# KiCad board hw-openmower-yardforce.kicad_pcb (continued)
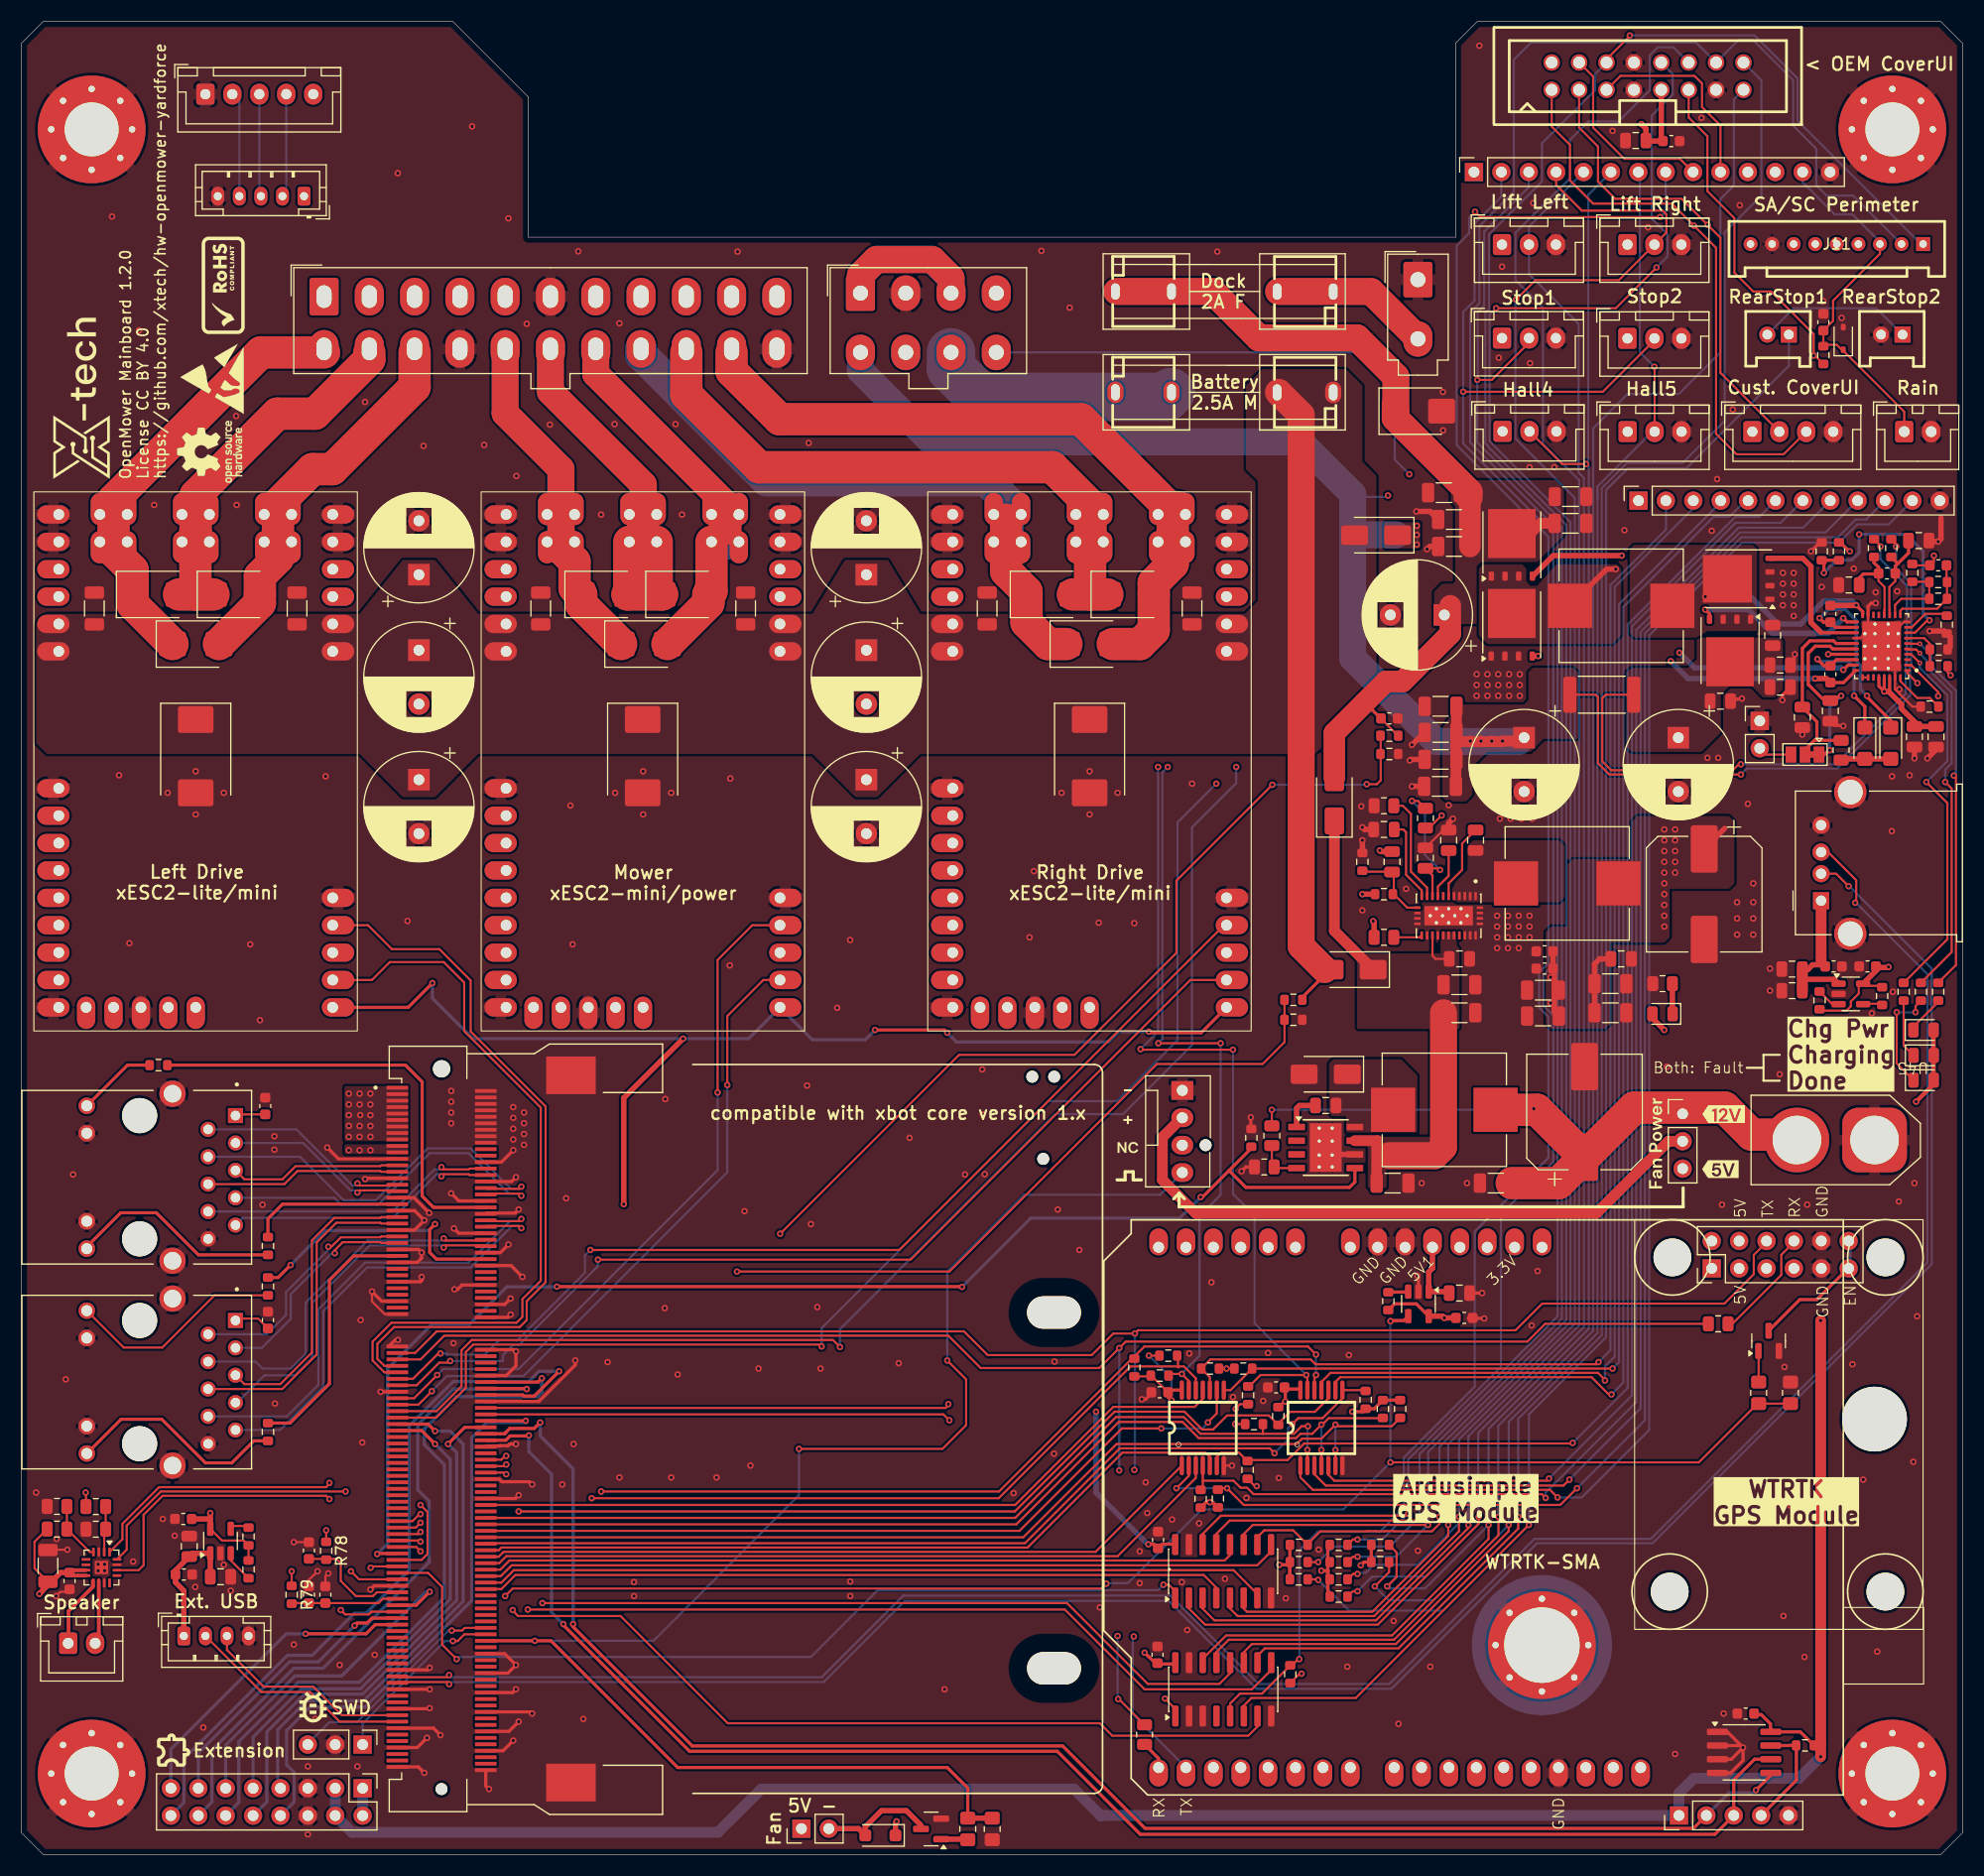
[diagram p0: board, top side]
## Nets (continued)
/GPIO4: J26.137 R46.1 U4.5
/GPIO5: J26.133 U48.9
/GPIO6: J26.135 U48.7
/GPIO7: J26.143 U47.1 U48.1
/GPIO8: J26.129 R77.2 U12.12
/GPIO9: J26.127 R70.2 U11.12
/GPIO10: J26.148 U47.4
/GPIO11: J26.146 U47.7
/GPIO12: J26.144 U47.9
/GPIO13: J26.142 U47.12
/GPIO14: J26.140 U11.3
/GPIO15: J26.138 U11.1
/GPIO16: J26.136 U11.5
/GPIO17: J26.134 R50.2 U12.8
/GPIO18: J26.132 R48.2 U12.6
/GPIO19: J26.130 U11.9
/GPIO20: J26.128 R29.2 U12.4
/GPIO21: J26.122 U11.11
/GPIO22: J26.124
/GPIO23: J26.126 R28.2 U12.2
/I2C1.SCL: J26.94 U27.1
/I2C1.SDA: J26.92 U27.2
/I2C2.SCL: J26.98 J32.10
/I2C2.SDA: J26.96 J32.8
/I2S.CK: J26.112 U3.16
/I2S.SDI: J26.106
/I2S.SDO: J26.108 U3.1
/I2S.WS: J26.110 U3.14
/RASPI_FAN_ON: J26.164 J33.4 R52.2 R53.1
/RobotConnectors/BTN_ANY: J5.2
/RobotConnectors/BTN_HOME_OEM: J5.5 J6.10 R64.2 U11.13
/RobotConnectors/BTN_PLAY_OEM: J5.4 J6.9 R65.2 U12.13
/RobotConnectors/HALL0_5V: J6.2 J15.2 R40.2 U47.14
/RobotConnectors/HALL1_5V: J6.3 J14.2 R39.2 U47.11
/RobotConnectors/HALL2_5V: J6.4 J13.2 R38.2 U47.5
/RobotConnectors/HALL3_5V: J6.5 J12.2 R51.2 U47.2
/RobotConnectors/HALL4_5V: J6.6 J9.2 R43.2 U48.14
/RobotConnectors/HALL5_5V: J6.7 J8.2 R42.2 U48.11
/RobotConnectors/HALL6_5V: J6.8 R62.2 U48.5
/RobotConnectors/LLIFT2_LIFT_OEM: J5.16 U48.10
/RobotConnectors/LLIFT_LBUMP_OEM: J5.12 U47.3
/RobotConnectors/MC_HALL_SENSOR.U: J10.4 J21.2 U9.4
/RobotConnectors/MC_HALL_SENSOR.V: J10.3 J21.3 U9.5
/RobotConnectors/MC_HALL_SENSOR.W: J10.2 J21.4 U9.6
/RobotConnectors/MC_PHASE.U: D12.2 D14.2 J1.18 U9.U
/RobotConnectors/MC_PHASE.V: D12.1 D13.2 J1.17 U9.V
/RobotConnectors/MC_PHASE.W: D13.1 D14.1 J1.16 U9.W
/RobotConnectors/MC_T2: J1.7 U9.3
/RobotConnectors/ML_HALL_SENSOR.U: J1.1 U8.4
/RobotConnectors/ML_HALL_SENSOR.V: J1.2 U8.5
/RobotConnectors/ML_HALL_SENSOR.W: J1.3 U8.6
/RobotConnectors/ML_PHASE.U: D8.2 D10.2 J1.14 U8.U
/RobotConnectors/ML_PHASE.V: D8.1 D9.2 J1.13 U8.V
/RobotConnectors/ML_PHASE.W: D9.1 D10.1 J1.12 U8.W
/RobotConnectors/MR_HALL_SENSOR.U: J1.8 U10.4
/RobotConnectors/MR_HALL_SENSOR.V: J1.9 U10.5
/RobotConnectors/MR_HALL_SENSOR.W: J1.10 U10.6
/RobotConnectors/MR_PHASE.U: D18.2 D20.2 J1.21 U10.U
/RobotConnectors/MR_PHASE.V: D18.1 D19.2 J1.20 U10.V
/RobotConnectors/MR_PHASE.W: D19.1 D20.1 J1.19 U10.W
/RobotConnectors/RAIN: C15.1 D21.1 J6.13 J11.3 J17.1 R47.2
/RobotConnectors/REAR_STOP_OEM: J40.1 R63.2 U48.6
/RobotConnectors/RLIFT2_RBUMP_OEM: J5.15 U48.13
/RobotConnectors/RLIFT_LIFTX_OEM: J5.10 U47.6
/RobotConnectors/STOP1_OEM: J5.6 J11.1 R61.2 U47.10
/RobotConnectors/STOP2_OEM: J5.14 J11.2 R60.2 U47.13
/RobotConnectors/USS_1_ECHO_5V: J7.11 U12.1
/RobotConnectors/USS_1_TRIGGER_5V: J7.10 R30.2 U11.2
/RobotConnectors/USS_2_ECHO_5V: J7.9 U12.3
/RobotConnectors/USS_2_TRIGGER_5V: J7.8 R31.2 U11.4
/RobotConnectors/USS_3_ECHO_5V: J7.7 U12.5
/RobotConnectors/USS_3_TRIGGER_5V: J7.6 R32.2 U11.6
/RobotConnectors/USS_4_ECHO_5V: J7.5 U12.9
/RobotConnectors/USS_4_TRIGGER_5V: J7.4 R36.2 U11.8
/RobotConnectors/USS_5_ECHO_5V: J7.3 U12.11
/RobotConnectors/USS_5_TRIGGER_5V: J7.2 R37.2 U11.10
/SPI1.MISO: J26.76
/SPI1.MOSI: J26.78
/SPI1.SCK: J26.80
/SPI2.MISO: J26.84 J32.12
/SPI2.MOSI: J26.86 J32.14
/SPI2.SCK: J26.88 J32.16
/STM_SWCLK: J26.160 J31.3
/STM_SWDIO: J26.162 J31.1
/UART1.RX: J26.81 U8.12
/UART1.TX: J26.79 U8.14
/UART2.RX: J26.91 U9.12
/UART2.TX: J26.89 U9.14
/UART4.RX: J26.85 U10.12
/UART4.TX: J26.83 U10.14
/UART6.RX: J26.77 R58.2 R59.2
/UART6.TX: J26.75 U13.9 XA1.D1
/UART7.RX: J5.1 J6.11 J19.3 J26.95
/UART7.TX: J5.3 J6.12 J19.2 J26.93
/UART8.RX: J26.99 J32.9
/UART8.TX: J26.97 J32.7
/UART10.RX: J26.103
/UART10.TX: J26.101
/USB_EXT.N: J4.2 J26.189
/USB_EXT.P: J4.3 J26.187
/V_CHARGE: C38.1 C39.1 C40.1 C41.1 C42.1 C54.1 C79.1 C80.1 D4.1 D28.2 F2.1 Q6.5 R21.1 R22.1 R54.2 U27.32 U27.33 U27.34
/xESC2/TEMPERATURE: U10.3
/xESC/TEMPERATURE: U8.3
Net-(C29-Pad2): C29.2 L1.1 U5.1 U5.2 U5.3 U5.4 U5.5
Net-(D1-K): D1.1 R19.1
Net-(D2-A): D2.2 D26.2 R66.2
Net-(D2-K): C48.2 D2.1 U27.20
Net-(D5-K): D5.1 R34.1
Net-(D6-K): D6.1 R35.1
Net-(D16-K): C12.2 D16.1 L3.1 U4.8
Net-(D22-A): D22.2 M1.2 Q4.3
Net-(D26-K): C76.2 D26.1 U27.26
Net-(D29-K): D29.1 R76.1
Net-(J2-Pin_1): J2.1 J2.3
Net-(J2-Pin_7): F4.1 J2.7
Net-(J3-Pin_2): F2.2 J3.2
Net-(J4-Pin_1): C6.1 C7.1 C8.2 J4.1 U2.1
Net-(J23-P1): C22.2 J23.1
Net-(J23-Pad11): J23.11 R11.2
Net-(J23-Pad14): J23.14 R12.2
Net-(J24-P1): C23.2 J24.1
Net-(J24-Pad11): J24.11 R13.2
Net-(J24-Pad14): J24.14 R14.2
Net-(J27-Pin_1): J27.1 J40.2
Net-(J28-VBUS): C3.1 C4.1 C5.2 J28.1 U1.1
Net-(J33-Pin_2): J33.2 J34.2
Net-(JP1-B): JP1.3 TP1.2
Net-(Q1-D): Q1.3 U13.6 U13.12
Net-(Q1-G): Q1.1 R25.2
Net-(Q4-G): Q4.1 R53.2
Net-(Q6-G): Q6.4 U27.27
Net-(Q7-D): C76.1 L4.1 Q6.1 Q6.2 Q6.3 Q7.5 U27.28
Net-(Q7-G): Q7.4 U27.25
Net-(Q8-D): C50.1 C55.1 C56.1 C58.1 C59.1 Q8.5 R67.2 R68.1
Net-(Q8-G): Q8.4 U27.19
Net-(Q9-D): C48.1 L4.2 Q8.1 Q8.2 Q8.3 Q9.5 U27.18
Net-(Q9-G): Q9.4 U27.21
Net-(R54-Pad1): R54.1 R55.2 R79.1
Net-(R56-Pad1): R56.1 R57.2 R78.1
Net-(U1-EN): R1.1 U1.4
Net-(U1-~{FLT}): R3.2 U1.3
Net-(U2-EN): R2.1 U2.4
Net-(U2-~{FLT}): R4.2 U2.3
Net-(U3-GAIN_SLOT): R7.2 R8.1 U3.2
Net-(U3-~{SD_MODE}): R5.2 R6.1 U3.4
Net-(U4-BOOT): C12.1 U4.1
Net-(U4-VSENSE): R44.2 R45.1 U4.4
Net-(U5-BOOT): C29.1 U5.6
Net-(U5-FB): C30.2 R17.2 R18.1 U5.12
Net-(U5-PGOOD): R16.1 U5.16
Net-(U5-RT): R15.1 U5.10
Net-(U5-SS/TRK): C27.1 U5.11
Net-(U5-VCC): C28.2 U5.8
Net-(U6-OUT): C53.1 U6.1 XA1.5V1
Net-(U6-~{FLT}): R27.2 U6.3
Net-(U13-TXD): R58.1 U13.10
Net-(U27-ACN): U27.29 U27.30
Net-(U27-FSW_SYNC): R74.2 U27.36
Net-(U27-ICHG): R20.2 U27.9
Net-(U27-~{CE}): R21.2 R75.1 U27.7
Net-(XA1-TXD): R59.1 XA1.D0

Pads without a net: J1 5; J2 4 6; J11 4 5 6 7 9; J26 20 22 105 107 109 111 113 115 117 119 121 123 125 150 152 154 156 158 161 163 165 166 167 169 170 171 172 176 178 182 184 188 190 194 196 199 200 201 202; J33 3; U3 5 6 12 13; U4 2 3; U5 7 23; U8 1 2 7 8 9 10 13; U9 1 2 7 8 9 10 13; U10 1 2 7 8 9 10 13; U13 1 3 4 7; U27 3 15 16 31; U48 4; XA1 3V3 A0 A1 A2 A3 A4 A5 AREF D2 D3 D4 D5 D6 D7 D8 D9 D10 D11 D12 D13 RST1 SCL SDA VIN

## Via types
v1: diameter 0.6, hole 0.3, Top to Bottom, 638 vias
v2: diameter 0.45, hole 0.2, Top to Bottom, 3 vias

## Routing (per net, layer and track width the routed paths; a pad name or vN(x,y) marks a point on that pad's centre or on a via; arc(x,y) is an arc through that point)
/3.3V: length 428.5
  Top w0.2: v1(112.55,39.92) 112.56,39.91 113.55,39.91 ; R65.1 113,41.76 112.6,41.37 v1(112.6,41.31) ; 104.78,44.41 C19.1 ; R77.1 104.65,44.34 ; R49.1 117.07,42.01 v1(117.2,42.01) ; v1(104.55,46.26) R70.1
  Top w0.3: 105.59,17.66 106.87,17.66 ; v1(116.65,26.87) 117.62,26.87 117.62,26.01 ; v1(106.65,42.12) 106.32,42.44 C19.1 ; 160.78,12.97 161.35,12.97 162.2,12.12 162.2,11.72 162.22,11.69 U7.8 164.97,11.37 R41.1 ; 106.94,28.78 105.79,28.78 C17.1 105,28.78 104.72,28.78 104.7,28.76 v1(104.5,28.76) ; 105.26,17.63 104.53,18.36 104.5,18.36 v1(104.15,18.72) ; 117.2,43.24 v1(117.2,42.01) ; 117.28,43.16 118.5,43.16 U12.14 ; 106.63,43.06 U11.14 ; v1(123.4,41.06) 124.38,41.06 R50.1 125.45,41.34 R29.1 R48.1 ; R63.1 R61.1
  Top w1: v1(166.85,9.06) v1(166.85,49.51)
  In2.Cu-PWR-SIG w0.2: v1(112.6,41.31) 112.65,41.37 114.15,41.37 113.85,41.06 112.55,41.06 v1(112.55,39.92)
  In2.Cu-PWR-SIG w0.3: 104.53,28.73 v1(104.5,28.76)
  In2.Cu-PWR-SIG w0.5: v1(106.65,42.12) 106.65,41.06 ; 104.53,26.87 104.53,28.73 ; 104.53,26.87 v1(116.65,26.87) ; 104.53,26.87 104.53,19.09 v1(104.15,18.72) ; 117.65,41.06 117.65,41.56 v1(117.2,42.01)
  In2.Cu-PWR-SIG w1: v1(30.35,65.31) 41.35,65.31 42.85,63.81 70.35,63.81 93.1,41.06 v1(99.65,41.06) 129.65,41.06 138.65,50.06 138.65,52.31 ; 138.65,52.31 148.85,52.31 151.6,49.56 166.8,49.56 v1(166.85,49.51) ; 138.65,52.31 138.65,56.1 138.45,56.31
  Bottom w0.2: v1(104.55,46.26) 106.65,44.16 v1(106.65,42.12)
  Bottom w0.5: v1(99.65,41.06) 99.65,33.56 104.45,28.76 v1(104.5,28.76)
  Bottom w1: J32.3 J32.4 30.64,2.05 64.59,2.05 68.6,6.06 97.6,6.06 100.1,3.56 100.15,3.62 J25.1 153.71,5.68 155.1,7.06 164.85,7.06 v1(166.85,9.06)
  vias: v1(31.35,65.31) v1(32.35,65.31)
/5V: length 349.3
  Top w0.2: v1(118.71,16.76) 118.53,16.76 117.66,15.89 ; R5.1 1.2,29 1.2,26.54 C9.1 ; v1(5.95,33.56) 5.98,33.54 R7.1 ; U2.5 18.59,29.12 20.6,29.12 R2.2 R4.1 ; v1(114.55,34.16) 114.38,34.16 R32.1 ; 172.42,80.56 170.99,80.56 ; 166.88,78.27 169.25,78.27 169.65,78.66 169.65,79.11 170.39,79.85 170.39,80.77 ; 130.54,95.2 v1(131.7,96.36) ; R37.1 R36.1
  Top w0.3: 121.14,24.6 121.14,26.35 ; 121.14,24.6 121.15,24.59 121.15,24.16 ; 121.14,24.6 121.14,28.53 ; 121.14,26.35 121.14,25.76 ; 121.14,26.35 121.1,26.31 v1(120.55,26.31) ; 121.14,26.35 121.15,26.37 121.15,25.77 ; R31.1 109.85,32.66 v1(110.2,32.66) 110.47,32.66 R30.1 ; R27.1 127.32,51.06 129.36,51.06 U6.5 ; v1(124.2,26.81) 124.5,27.12 125.17,27.12 125.17,28.72
  Top w0.35: U3.8 4.6,25.87 ; U3.7 4.68,26.37
  Top w0.4: v1(175.7,69.81) 177.34,71.45 ; D29.2 177.33,71.83
  Top w0.5: J5.9 152.07,158.91 150.7,158.91 ; C33.1 C34.1 145.87,82.59 146.35,83.06 C35.1 ; C62.1 150.65,160.06 v1(150.22,160.49) ; U1.5 171.97,81.95 C1.1 ; 133.17,49.76 v1(131.95,49.76) 131.79,49.93 U6.5 ; v1(17.5,31.66) 17.5,31.12 ; 17.5,31.12 U2.5 ; 17.5,31.12 C2.1 ; C37.2 C36.2 ; 157.95,95.16 C14.1 ; C30.1 126.07,93.01 v1(125.96,93.12) ; 142.15,82.04 142.15,78.19 C32.1 ; R16.2 125.44,86.48 v1(125.35,86.56) ; 125.44,89.06 v1(124.35,89.06) ; D22.1 81.05,2.97 ; 172.07,82.27 173.1,82.27 v1(173.15,82.31) ; C10.2 3.61,26.14 1.9,24.43 1.9,24.41 v1(1.65,24.16) ; v1(152.35,76.47) 151.25,77.56
  In2.Cu-PWR-SIG w0.3: 110.7,43.41 110.65,43.47 110.65,44.97
  In2.Cu-PWR-SIG w1: v1(31.35,67.56) 31.35,72.81 34.1,75.56 43.1,75.56 50.6,68.06 68.85,68.06 93.5,43.41 125.6,43.41 v1(131.95,49.76) ; v1(31.4,68.58) 28.61,68.58 26.35,66.31 26.35,22.81 34.45,14.72 34.45,8.96 J32.1 34.8,9.31 53.35,9.31 60.27,2.39 M1.1 72.32,4.04 73.6,5.31 80.1,5.31 81.15,4.26 v1(81.15,3.06)
  Bottom w1: J32.2 J32.1
  vias: v1(30.35,70.56) v1(30.35,69.56) v1(30.35,68.56) v1(30.35,67.58) v1(30.35,66.56) v1(31.35,70.56) v1(31.35,69.56) v1(31.35,66.56) v1(32.35,70.56) v1(32.35,69.56) v1(32.35,68.56) v1(32.35,67.56) v1(32.35,66.56) v1(111.75,45.06) v1(141.8,81.36) v1(141.8,78.97) v1(152.35,95.06) v1(152.35,94.06) v1(152.35,93.06) v1(152.35,92.06) v1(152.35,91.06) v1(152.35,90.06) v1(152.35,89.06) v1(152.35,88.06) v1(152.35,87.06) v1(152.35,86.06) v1(153.35,95.06) v1(153.35,94.06) v1(153.35,93.06) v1(153.35,92.06) v1(153.35,91.06)
/AuxPSU/12V_OUT: length 69.4
  Top w0.2: L3.2 140.15,69.06 v1(140.25,69.16) ; R44.1 v1(115.95,69.06)
  Top w3: L3.2 140.55,69.06 C13.1 ; C13.1 142.55,62.27 C16.1 ; C13.1 149.55,69.27 157.95,69.27 160.45,66.77 164.15,66.77
  Bottom w0.2: v1(140.25,69.16) 140.15,69.06 v1(115.95,69.06)
/VBATT: length 59
  Top w0.3: 118.78,79.49 D15.2
  Top w2.5: 120.85,82.06 118.67,84.24 118.67,133.51 116.57,135.62
/VIN: length 42.7
  Top w0.2: U5.18 130.85,83.34 131.13,83.06 C26.1
  Top w1: D15.1 121.75,85.66 D28.1 ; U4.7 125.75,66.2 125.67,66.12 C11.1
  Top w2.5: 126.85,64.81 131.1,64.81 131.87,65.59 C25.1
GND: length 210.5
  Top w0.2: 172.5,112.24 174.58,114.31 U27.10 ; v1(112.25,36.06) U11.7 ; 174.25,107.56 173.75,108.06 U27.35 173.75,110.81 ; 174.25,107.56 174.15,107.66 v1(174.15,108.06) ; 174.25,107.56 175.35,106.47 R74.1 ; v1(28.45,26.06) 28.18,25.79 C60.2 ; v1(4.25,28.26) 2.79,28.26 ; U27.37 170.54,112.81 U27.22 ; U27.17 171.25,113.31 ; v1(32.5,52.22) 32.5,51.29 33.68,50.12 J26.71 ; v1(164.45,111.31) 164.45,110.72 ; C57.2 26.65,25.47 v1(27.45,26.26) ; v1(25.25,28.97) 26.55,28.97 ; v1(3.2,23.97) 3.6,24.36 4.05,24.36 4.58,24.88 ; C51.1 131.85,95.02
  Top w0.3: J26.55 36.7,54.91 37.1,55.31 v1(37.1,55.81) 36.8,56.12 J26.51 ; v1(32.5,52.22) 33.4,51.31 J26.67 ; J26.23 29.4,64.52 v1(28.35,65.56) ; v1(43.35,6.06) 43.05,6.37 J26.204 ; v1(113.15,63.36) 113.55,63.77 R45.2 ; U7.1 158.19,11.37 v1(159.65,9.91) ; J26.40 43.12,59.49 45.77,59.49 v1(46.1,59.81) ; J26.179 v1(37.85,15.31) ; v1(34.9,47.72) 34.65,47.72 34.05,47.12 ; 134.17,49.73 135.64,49.73 v1(135.65,49.72) ; J26.147 32.7,24.91 v1(32.35,24.56) ; v1(37.6,10.81) 36.7,9.91 J26.197 ; J26.29 31.92,62.72 v1(31.85,62.64) ; J26.104 43.12,37.89 44.4,37.89 44.4,37.91 45.11,37.91 45.26,38.06 v1(45.85,38.06) ; v1(45.35,50.06) 45.1,49.81 J26.72 ; J26.186 47.2,13.22 v1(47.35,13.06) ; J26.36 40.55,60.62 v1(39.85,61.31) ; v1(159.65,9.91) 159.47,10.1 U7.2 ; v1(159.65,9.91) 158.56,8.83 157.28,8.83 ; v1(159.65,9.91) 159.65,8.72 158.5,7.56 U7.4 ; v1(129.45,53.66) 129.55,53.56 U6.2 ; J26.192 45.2,11.41 v1(46.1,12.31) ; v1(37.35,7.56) 36.8,8.12 J26.203 ; v1(40.1,58.06) 40.55,57.62 J26.46 ; J26.82 44.95,44.41 45.85,45.31 v1(45.85,46.66) 45.7,46.81 J26.74 ; 158.85,106.97 159.05,107.16 159.5,107.16 v1(159.55,107.22) ; J26.24 44.5,64.22 v1(45.6,65.31) ; C53.2 v1(135.45,52.06) ; v1(45.15,56.56) 44.4,55.81 J26.52 ; J26.62 40.85,52.81 40.45,52.41 v1(40.15,52.41) ; J26.185 37.8,13.51 v1(37.85,13.56) ; J26.120 45.8,33.01 v1(46.1,33.31) ; v1(51.35,45.81) 51.35,45.4 47.97,42.01 J26.90 ; v1(163.3,107.06) 163.3,107.52 C58.2 ; v1(45.35,51.56) 44.8,51.01 J26.68 ; J26.168 44.8,18.62 v1(45.85,17.56) 45.1,16.81 J26.174 ; v1(45.85,15.31) 45.55,15.01 J26.180 ; 104.78,42.74 104.25,42.22 v1(103.9,42.22) ; v1(46.45,53.56) 45.4,54.62 J26.56 ; U27.17 171.25,115.77 171.55,116.06 v1(171.95,116.06) ; v1(47.35,34.31) 47.1,34.56 44.55,34.56 44.3,34.81 J26.114 ; J26.35 36.39,60.91 v1(37.8,59.5) ; J26.30 45.45,62.41 v1(45.85,62.81) ; J26.173 37.65,17.12 v1(37.85,17.31) ; J26.45 36.45,57.91 v1(37.35,58.81) 36.45,59.72 J26.39 ; v1(37.1,53.56) 37.15,53.51 37.15,53.26 37,53.12 J26.61 ; v1(45.6,10.56) 44.65,9.62 J26.198 ; J26.191 38.2,11.72 v1(38.85,11.06) ; 165.15,104.77 v1(165.15,103.86) ; v1(168.95,104.66) 168.9,104.72 168.15,104.72 C84.2 ; v1(165.95,120.86) 166.78,121.69 ; v1(114,68.36) 114,67.34 ; v1(33.3,42.91) J26.87
  Top w0.5: C27.2 124.55,95.06 v1(124.35,95.27) ; v1(132.75,96.06) 132.35,95.66 C28.1 ; C38.2 130.6,121.31 v1(130.35,121.06) ; C79.2 v1(175.55,101.66) ; v1(128.95,102.91) 130.1,104.06 ; 124.35,92.98 v1(124.35,94.06) ; U4.6 121.61,64.93 ; v1(176.75,101.66) 177.55,102.47 ; v1(129.35,124.56) 130.62,124.56 C39.2 ; 178.86,111.97 178.86,112.93 R20.1 178.32,113.47 v1(176.95,113.47) ; 178.01,123.97 178.01,122.03 v1(177.75,121.77) 177,121.77 ; C44.2 v1(128.95,99.06) ; v1(128.75,101.47) 128.85,101.56 C46.2
  vias: v1(1.35,33.56) v1(3.25,29.26) v1(4.1,44.06) v1(4.77,63.07) v1(7.1,26.91) v1(7.1,26.31) v1(7.7,26.91) v1(7.7,26.31) v1(8.39,151.91) v1(9.04,100.09) v1(10,84.52) v1(10.35,27.16) v1(10.9,141.35) v1(12.3,125.16) v1(13.1,31.12) v1(13.55,98.47) v1(14.2,29.56) v1(16.15,100.47) v1(16.15,96.47) v1(16.1,24.81) v1(16.85,11.76) v1(18.75,98.47) v1(18.75,26.87) v1(19.4,24.47) v1(19.9,133.41) v1(19.95,125.16) v1(21.21,84.41) v1(22.11,77.38) v1(22.35,60.26) v1(23.45,66.61) v1(23.45,65.36) v1(23.5,41.81) v1(25.25,19.47) v1(26.55,8.16) v1(26.55,1.87) v1(27.25,12.56) v1(28.2,100) v1(29.5,17.56) v1(31.15,8.16) v1(31.45,49.56) v1(31.6,38.22) v1(31.85,134.72) v1(32.75,18.51) v1(34.89,155.94) v1(35.79,86.58) v1(37.28,130.64) v1(39.85,70.81) v1(39.85,69.81) v1(39.85,68.81) v1(39.85,67.81) v1(40.05,47.41) v1(41.78,160.28) v1(42.9,130.74) v1(45.15,151.75) v1(45.6,69.31) v1(45.6,68.31) v1(45.6,67.31) v1(45.6,66.31) v1(45.89,127.85) v1(46.6,68.81) v1(46.6,67.81) v1(46.6,66.81) v1(46.6,65.81) v1(46.85,141.97) v1(49,132.62) v1(50.15,34.31) v1(50.5,60.87) v1(50.9,97.28) v1(51.1,84.41) v1(51.2,38.06) v1(51.63,148.69) v1(52.1,12.56) v1(53.75,124.27) v1(54.35,45.66) v1(55,132.66) v1(55.05,98.47) v1(55.45,142.01) v1(55.45,34.97) v1(56.8,25.26) v1(56.8,23.97) v1(57.65,100.47) v1(57.65,96.47) v1(59.7,70.06) v1(59.65,50.66) v1(60.25,98.47) v1(60.25,34.97) v1(60.65,132.66) v1(60.85,44.51) v1(61.25,124.27) v1(64.45,34.97) v1(65.68,82.45) v1(65.73,99.8) v1(66.4,148.66) v1(67.05,59.66) v1(67.6,36.06) v1(68.35,45.06) v1(72.85,71.31) v1(73,130.91) v1(73.2,58.47) v1(73.8,50.76) v1(74.1,45.06) v1(75.64,78.52) v1(76.84,84.81) v1(76.85,25.31) v1(76.85,23.97) v1(81.35,45.56) v1(82.35,66.47) v1(85.6,15.31) v1(87.5,63.06) v1(89.1,72.81) v1(89.15,68.61) v1(89.33,63.09) v1(92,33.51) v1(93.48,85.06) v1(93.89,91.19) v1(94.58,148.74) v1(95.75,37.16) v1(95.8,45.72) v1(96.1,59.81) v1(96.45,98.47) v1(97.2,143.47) v1(98.1,56.06) v1(99.05,100.47) v1(99.05,96.47) v1(99.9,86.41) v1(100,22.91) v1(101.65,98.47) v1(103.19,86.38) v1(103.7,28.12) v1(103.7,25.16) v1(104.25,34.51) v1(104.4,31.66) v1(106.7,31.06) v1(107.6,25.26) v1(108.1,20.81) v1(108.3,46.47) v1(108.55,99.31) v1(109.2,30.72) v1(110.35,53.06) v1(110.9,148.66) v1(111.6,25.56) v1(112.35,42.41) v1(113.6,33.06) v1(115.15,42.06) v1(115.6,46.51) v1(116.6,34.91) v1(117.25,23.76) v1(120.3,28.26) v1(122.95,17.41) v1(123.1,46.31) v1(124.25,97.22) v1(124.35,87.56) v1(127.2,117.72) v1(127.2,112.72) v1(127.25,21.66) v1(127.7,12.12) v1(128.2,117.72) v1(128.2,112.72) v1(128.4,89.56) v1(129.2,117.72) v1(129.2,112.72) v1(129.5,28.16) v1(129.85,62.27) v1(130.65,17.41) v1(131.82,135.64) v1(131.84,132.08) v1(132.35,97.31) v1(134.05,62.27) v1(134.95,109.47) v1(134.95,108.47) v1(134.95,107.47) v1(135.2,167.76) v1(135.95,109.47) v1(135.95,108.47) v1(135.95,107.47) v1(136.85,87.06) v1(136.85,86.06) v1(136.85,85.06) v1(136.85,84.06) v1(136.95,109.47) v1(136.95,108.47) v1(136.95,107.47) v1(136.95,100.86) v1(136.95,99.86) v1(136.95,98.86) v1(137,138.81) v1(137.1,96.06) v1(137.3,147.26) v1(137.85,87.06) v1(137.85,86.06) v1(137.85,85.06) v1(137.85,84.06) v1(137.95,109.47) v1(137.95,108.47) v1(137.95,107.47) v1(138.1,96.06) v1(138.4,100.86) v1(138.85,87.06) v1(138.85,86.06) v1(138.85,85.06) v1(138.85,84.06) v1(138.95,109.47) v1(138.95,108.47) v1(138.95,107.47) v1(139.1,96.06) v1(139.4,100.86) v1(139.85,128.66) v1(139.85,87.06) v1(139.85,86.06) v1(139.85,85.06) v1(139.9,138.31) v1(140.05,49.06) v1(140.2,153.16) v1(140.1,96.06) v1(140.4,100.86) v1(140.6,54.12) v1(142.15,128.66) v1(147.55,159.87) v1(148.65,122.81) v1(150.85,150.91) v1(152.35,97.06) v1(152.6,73.06) v1(153.35,97.06) v1(153.35,9.31) v1(154.35,97.06) v1(155.35,97.06) v1(155.8,161.06) v1(156.35,101.72) v1(156.35,99.09) v1(156.35,98.09) v1(156.35,97.06) v1(156.75,122.77) v1(157.25,127.56) v1(157.35,101.72) v1(157.35,99.09) v1(157.35,98.09) v1(157.7,60.26) v1(157.85,13.06) v1(158.7,134.01) v1(159.1,88.31) v1(159.1,86.81) v1(159.1,85.31) v1(159.35,152.97) v1(160.1,97.44) v1(160.6,90.06) v1(160.6,88.31) v1(160.6,86.81) v1(160.6,85.31) v1(162.15,82.16) v1(162.15,80.11) v1(163.05,72.36) v1(163.35,118.86) v1(163.35,117.86) v1(163.35,116.86) v1(163.35,115.86) v1(163.4,22.12) v1(163.5,45.22) v1(164.1,32.31) v1(164.35,118.86) v1(164.35,117.86) v1(164.35,116.86) v1(164.35,115.86) v1(164.35,114.86) v1(165.35,18.31) v1(165.6,60.26) v1(166.95,117.56) v1(167.1,144.06) v1(168.8,142.51) v1(169.8,45.47) v1(169.92,119.27) v1(170.8,34.76) v1(171.6,78.02) v1(171.95,117.06) v1(172.1,18.81) v1(173.47,99.99) v1(173.45,94.91) v1(173.55,80.02) v1(173.95,117.16) v1(174.1,60.56) v1(175.1,100.09) v1(175.45,36.41) v1(175.55,62.27) v1(175.8,49.91)
/AGPIO0: length 10.8
  Top w0.2: J26.149 32.95,24.31 32.6,23.97 31,23.97 29.6,25.37 29.6,27.01 29.2,27.41 26.55,27.41
/AGPIO1: length 10
  Top w0.2: R79.2 25.1,23.31 C57.1 C60.1 33.1,23.31 33.5,23.72 J26.151
/AGPIO2: length 32.3
  Top w0.3: J26.153 36.6,23.12 v1(37.85,24.37)
  Bottom w0.3: v1(37.85,24.37) 37.5,24.37 29.7,16.56 25.35,16.56 18.93,10.15 J32.11
/AGPIO3: length 240.3
  Top w0.2: J5.11 154.61,161.1 156.35,159.37 156.35,154.26 158.85,151.76 158.85,146.72 160.6,144.97 162.25,144.97 166.2,141.01 v1(166.2,139.01) 166.21,139.01 166.33,139.01 R47.1 ; v1(29.6,22.66) 30,22.26 32.21,22.26 32.46,22.51 J26.155
  In1.Cu-GND w0.2: v1(166.2,139.01) 163.55,136.37 138.85,136.37 126.25,123.77 126.25,118.97 101.55,94.27 101.55,75.36 95.85,69.66 80.8,69.66 52.45,41.31 52.45,34.51 43.55,25.62 31.75,25.62 29.6,23.46 v1(29.6,22.66)
/AGPIO4: length 26.9
  Top w0.3: J26.157 32.5,21.91 32.05,21.47 31.13,21.47 v1(30.89,21.23)
  Bottom w0.3: v1(30.89,21.23) 27.53,17.87 24.85,17.87 16.39,9.41 J32.13
/AGPIO5: length 29.4
  Top w0.3: J26.159 32.8,21.31 31.95,20.47 v1(26.35,20.47)
  Bottom w0.3: v1(26.35,20.47) 24.55,20.47 13.85,9.76 J32.15
/Amplifier/SPEAKER.+: length 6.7
  Top w0.35: 4.35,19.62 4.35,22.56 6.61,24.83 6.61,25.37
/Amplifier/SPEAKER.-: length 5.4
  Top w0.35: 7.16,19.93 7.16,25.37
/Charger/DRV_SUP: length 18.5
  Top w0.3: U27.23 168.3,112.31 168.05,112.56 165.85,112.56 165.15,111.86 C78.1 166.5,105.06 166.5,103.43 166.6,103.33 166.26,103.33 ; 166.26,103.33 R66.1 ; 166.26,103.33 165.4,102.47
/Charger/FB: length 7.4
  Top w0.2: R33.2 176.9,118.04 ; R23.1 R71.1 174.32,116.47 173.75,115.89 U27.12
/Charger/FBG: length 8.2
  Top w0.2: R23.2 R71.2 177.65,115.54 174.42,115.54 174.25,115.36 U27.11 ; C49.2 178.53,118.06
/Charger/REGN: length 33.8
  Top w0.3: v1(167.7,102.41) 167.6,102.41 167.2,102.02 JP1.1 ; 168.15,107.02 168.6,107.47 v1(168.75,107.47) ; U27.24 167.97,111.81 167.72,112.06 166.35,112.06 165.7,111.41 165.7,108.52 167.2,107.02 ; 168.75,121.61 169.5,120.86 v1(169.55,120.86)
  In2.Cu-PWR-SIG w0.3: v1(169.55,120.86) 169.44,120.97 169.44,120.76 167.95,119.27 167.95,114.06 169.75,112.27 169.75,108.47 v1(168.75,107.47)
  Bottom w0.3: v1(167.7,102.41) 167.7,106.41 v1(168.75,107.47)
/Charger/SRN: length 8.5
  Top w0.2: U27.13 173.25,115.42 173.22,115.44 173.22,117.55 173.78,118.1 C83.2
  Top w0.3: 174.05,119.77 175,120.72 C82.1 ; 174.05,119.77 173.97,119.77 173.4,120.34 ; 174.05,119.77 173.78,119.49 C83.2
/Charger/SRP: length 8.3
  Top w0.2: C83.1 172.22,118.1 172.78,117.55 172.78,115.44 172.75,115.42 U27.14
  Top w0.3: 172.17,118.77 170.8,118.77 170.42,118.39 C81.2 ; 171.8,120.34 171.8,119.8 172.22,119.38 C83.1
/Charger/STAT1: length 35.4
  Top w0.2: v2(176.05,110.52) 175.25,111.31 U27.4 ; v1(176.65,99.47) 178.6,97.52 178.6,84.89 174.61,80.9
  Bottom w0.2: v1(176.65,99.47) 178.6,101.41 178.6,107.52 176.05,110.06 v2(176.05,110.52)
/Charger/STAT2: length 34.8
  Top w0.2: R35.2 179,83.69 179,98.86 v1(178.4,99.47) ; v2(176.05,111.41) 175.71,111.76 174.96,111.76 U27.5
  Bottom w0.2: v2(176.05,111.41) 176.05,111.36 176.65,110.77 176.65,110.11 179,107.77 179,101.22 178.4,100.61 v1(178.4,99.47)
/Charger/TS: length 115.1
  Top w0.2: U27.8 175.6,113.31 176.75,114.47 v1(176.95,114.47)
  Top w0.3: v1(167.15,118.86) 167.15,120.04 R72.2
  In2.Cu-PWR-SIG w0.2: v1(128.7,128.01) 128.75,127.97 135.05,127.97 139.35,123.66 169.6,123.66 170.42,122.85 v1(170.42,122.44)
  Bottom w0.2: v1(128.7,128.01) 127.35,129.37 127.35,135.87 123.9,139.31 J2.8
  Bottom w0.3: v1(167.15,118.86) 168.35,120.06 169.75,120.06 170.42,120.73 v1(170.42,122.44) 174.78,122.44 176.35,120.86 176.35,115.06 v1(176.95,114.47)
/Charger/V_BATT_CHARGE: length 220
  Top w0.2: 175.47,119.56 C49.1 177.35,119.94 v1(177.35,120.47) ; v1(173.85,121.31) 173.85,121.54 R69.1 ; R67.1 145.97,107.56 146.2,107.34 146.2,101.22 147.25,100.16 v1(159.45,100.16)
  Top w1: 139.03,103.27 v1(137.35,103.27) 137.3,103.22 136.4,103.22 v1(136.35,103.27) 136.3,103.22 135.4,103.22 v1(135.35,103.27) 135.3,103.22 134.4,103.22 v1(134.35,103.27) 134.3,103.22 133.38,103.22 133.03,102.86 ; C45.1 C43.1 ; 133.03,102.86 133.03,99.06 ; 133.03,102.86 133.03,104.02
  In2.Cu-PWR-SIG w0.2: v1(126.72,126.04) 128.88,126.04 132.95,121.97 170.05,121.97 171.55,120.47 v1(177.35,120.47)
  Bottom w0.2: v1(126.72,126.04) 126.6,125.91 123.7,125.91 122.78,126.84 ; v1(173.85,121.31) 173.85,119.27 175.25,117.86 175.25,110.4 175.15,110.3 175.15,110.17 175.15,107.5 168.37,100.72 160,100.72 v1(159.45,100.16)
  Bottom w2.5: 123.45,122.39 123.45,126.16 118.6,131.01 84.4,131.01 77.8,137.62 J2.5 ; 123.45,122.39 127.5,122.39 ; 123.45,122.39 123.45,110.97 131.2,103.22 138.85,103.22
  vias: v1(129.4,123.24) v1(129.4,122.39) v1(129.4,121.49)
/Charger/~{PG}: length 34.8
  Top w0.2: v1(179.2,100.06) 179.4,99.86 179.4,82.49 R76.2 ; v2(176.05,112.29) 174.92,112.29
  Bottom w0.2: v2(176.05,112.29) 177.1,111.24 177.1,110.23 179.4,107.93 179.4,100.27 v1(179.2,100.06)
/Connectors/ETH1.LED_G: length 25.8
  Top w0.3: J26.54 38.48,55.22 37.85,55.84 37.85,57.97 v1(38.35,58.47) ; v1(24.95,54.66) 23.79,53.51 R11.1
  Bottom w0.3: v1(38.35,58.47) 37.75,57.87 28.15,57.87 v1(24.95,54.66)
/Connectors/ETH1.LED_Y: length 24
  Top w0.3: J26.53 30.8,55.51 28.55,53.26 28.55,43.66 24.89,40.01 R12.1
/Connectors/ETH1.PAIR_A_N: length 22.7
  Top w0.2: v1(28.45,56.37) 28.73,56.37 29.61,57.24 33.27,57.24 33.35,57.31 J26.47
  Bottom w0.2: J23.2 22.73,48.25 24.52,50.04 24.52,52.16 28.45,56.08 v1(28.45,56.37)
/Connectors/ETH1.PAIR_A_P: length 20.6
  Top w0.2: J26.49 33.35,56.72 33.27,56.79 29.79,56.79 29.05,56.05 v1(29.05,55.76)
  Bottom w0.2: v1(29.05,55.76) 28.77,55.76 24.98,51.97 24.98,49.69 22.27,46.99 J23.3
/Connectors/ETH1.PAIR_B_N: length 33.8
  Top w0.2: 42.98,56.94 39.35,56.94 v1(39.15,57.14)
  Bottom w0.2: J23.4 21.7,45.71 22.35,45.06 24.95,45.06 26.35,46.47 26.35,51.18 32.11,56.94 38.95,56.94 v1(39.15,57.14)
/Connectors/ETH1.PAIR_B_P: length 32.2
  Top w0.2: v1(39.15,56.29) 39.35,56.49 42.98,56.49
  Bottom w0.2: v1(39.15,56.29) 38.95,56.49 32.29,56.49 26.95,51.15 26.95,46.06 25.33,44.44 22.52,44.44 19.99,41.91